# KiCad board edc-mux-board-fpga-main.kicad_pcb (continued)
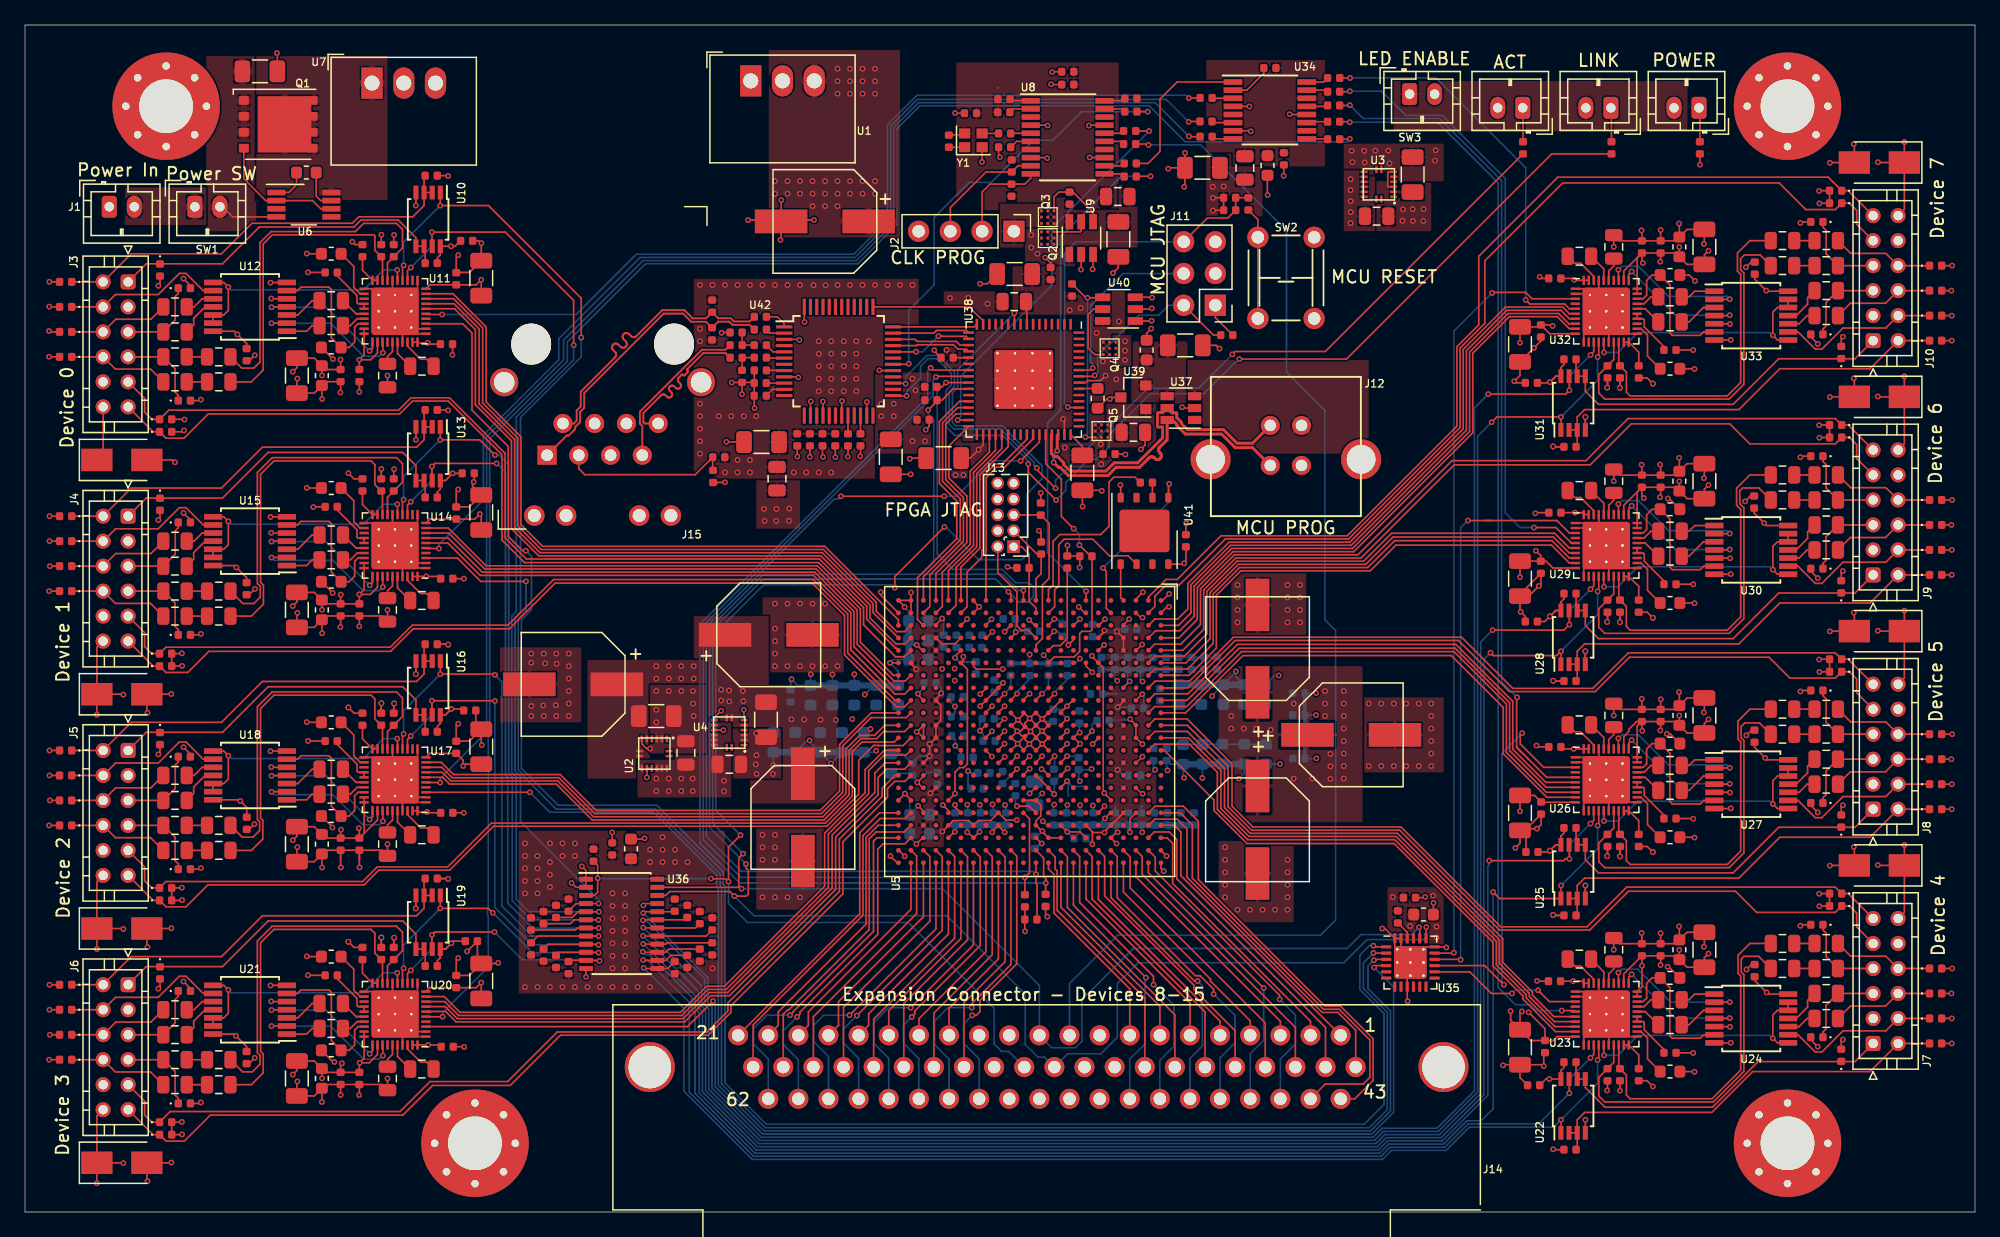
[diagram p0: board, top side]
## Routing (per net, layer and track width the routed paths; a pad name or vN(x,y) marks a point on that pad's centre or on a via; arc(x,y) is an arc through that point) (continued)
/FPGA Interconnects/DEV_INT2: length 70.6
  Top w0.127: J5.9 9.57,27.62 9.57,26.51 10.14,25.94 D29.1 11.28,26.45 27.01,26.45 28.17,27.61 33.8,27.61 37.31,31.12 64.03,31.12 66.18,33.27 66.18,36.84 66.95,37.61 69.53,37.61 U5.AB12
/FPGA Interconnects/DEV_INT3: length 78.2
  Top w0.127: J6.9 9.57,8.87 9.57,7.76 10.14,7.19 D39.1 11.61,8.04 30,8.04 32.4,10.44 38.61,10.44 42.58,14.41 54.55,14.41 56.23,16.09 56.23,16.74 65.15,25.66 65.15,29.85 68.57,33.27 68.57,33.91 69.61,34.95 U5.AB15
/FPGA Interconnects/DEV_INT4: length 69.8
  Top w0.127: U5.A11 92.99,38.95 96.25,35.69 96.25,32.44 98.13,30.56 109.97,30.56 117.96,22.57 125.18,22.57 128.28,25.67 136.84,25.67 138.53,23.98 144.82,23.98 D49.1 145.96,24.49 146.53,23.92 146.53,22.81 J7.9
/FPGA Interconnects/DEV_INT5: length 64.4
  Top w0.127: J8.9 146.53,41.56 146.53,42.67 145.96,43.24 D59.1 144.82,42.73 141.19,42.73 139.52,44.4 128.36,44.4 125.61,41.65 118.76,41.65 114.67,45.74 96.81,45.74 93.02,41.95 U5.A8 91.14,41.95
/FPGA Interconnects/DEV_INT6: length 69.1
  Top w0.127: U5.A5 92.62,44.95 94.29,46.62 94.29,49.78 96.86,52.34 106.88,52.34 114.34,59.8 125.22,59.8 128.5,63.08 136.38,63.08 137.98,61.48 144.82,61.48 D69.1 145.96,61.99 146.53,61.42 146.53,60.31 J9.9
/FPGA Interconnects/DEV_INT7: length 82.3
  Top w0.127: J10.9 146.53,79.06 146.53,80.17 145.96,80.74 D79.1 144.82,80.23 142.46,80.23 140.33,82.36 123.02,82.36 116.79,76.13 116.79,71.13 114.8,69.14 114.8,62.78 105.89,53.87 96.03,53.87 92.31,50.15 91.26,50.15 90.39,49.28 90.39,48.47 U5.B2
/FPGA Interconnects/DEV_INT8: length 22.5
  Top w0.127: v1(75.78,15.74) 76.1,15.74 76.39,16.03 76.39,16.91 79.34,19.86 79.34,28.48 U5.N21
  Bottom w0.127: J14.55 76.33,12.25 75.09,13.49 75.09,15.05 v1(75.78,15.74)
/FPGA Interconnects/DEV_INT9: length 23.2
  Top w0.127: U5.T21 76.42,28.41 76.42,21.33 71.17,16.08 71.17,15.84 v1(70.94,15.61)
  Bottom w0.127: v1(70.94,15.61) 70.28,14.95 70.28,13.51 71.51,12.28 J14.57
/FPGA Interconnects/DEV_INT10: length 23.9
  Top w0.127: U5.W21 73.37,28.45 73.37,22.54 v1(66.55,15.72)
  Bottom w0.127: J14.59 66.69,12.31 65.46,13.54 65.46,14.63 v1(66.55,15.72)
/FPGA Interconnects/DEV_INT11: length 26.6
  Top w0.127: U5.AA20 70.4,29.47 68.65,29.47 68.22,29.04 68.22,22.22 62,16 62,15.85 v1(61.77,15.62)
  Bottom w0.127: J14.61 61.87,12.19 60.66,13.4 60.66,14.51 v1(61.77,15.62)
/FPGA Interconnects/DEV_INT12: length 35.2
  Top w0.127: J14.43 106.38,9.06 107.84,10.52 107.84,13.87 105.24,16.48 103.99,16.48 93.87,26.6 93.87,31.27 92.66,32.48 90.41,32.48 U5.B18
/FPGA Interconnects/DEV_INT13: length 25.3
  Top w0.127: U5.B21 90.42,28.41 90.42,27.29 100.37,17.34 v1(100.37,17.02)
  Bottom w0.127: v1(100.37,17.02) 101.63,15.76 101.63,13.44 100.43,12.24 J14.45
/FPGA Interconnects/DEV_INT14: length 24.7
  Top w0.127: U5.E21 87.38,28.44 87.38,25.15 93.62,18.91 94.01,18.91 95.09,17.83 v1(95.09,17.44)
  Bottom w0.127: v1(95.09,17.44) 96.8,15.73 96.8,13.53 95.61,12.34 J14.47
/FPGA Interconnects/DEV_INT15: length 23.7
  Top w0.127: U5.H21 84.37,28.45 84.37,24.77 90.28,18.86 v1(90.28,18.19)
  Bottom w0.127: J14.49 90.79,12.15 91.92,13.28 91.92,16.55 v1(90.28,18.19)
/FPGA Interconnects/MISO: length 16.2
  Top w0.127: U5.K1 81.88,49.81 82.25,50.18 82.25,53.68 82.79,54.22 86.06,54.22 86.72,54.88 86.72,58.42 87.11,58.81 88.79,58.81 R64.1
/FPGA Interconnects/MOSI: length 3
  Top w0.127: U41.5 87.66,49.17 U5.D1
/FPGA Interconnects/SCK: length 13
  Top w0.127: U41.6 88.25,52.52 86.75,52.52 85.43,53.84 83.13,53.84 82.7,53.41 82.7,50.12 82.37,49.79 82.37,48.44 U5.K2
/FPGA Interconnects/TCK: length 6.4
  Top w0.127: J13.1 79.72,53.25 80.32,52.64 80.32,48.89 80.88,48.34 U5.L2
/FPGA Interconnects/TDI: length 13.7
  Top w0.127: U5.L5 80.88,45.39 81.4,45.91 81.4,50.17 81.93,50.71 81.93,55.11 R71.1 81.25,55.79 J13.5
/FPGA Interconnects/TDO: length 8.9
  Top w0.127: U5.L4 80.26,46.57 79.69,46.57 79.35,46.91 79.35,49.64 77.82,51.17 J13.2
/FPGA Interconnects/TMS: length 6.8
  Top w0.127: J13.3 80.96,52.66 R72.1 81.29,51.09 80.88,50.67 U5.L1
/FPGA Interconnects/~{CONFIG}: length 7.5
  Top w0.127: U5.K5 82.26,45.33 82.82,45.33 83.38,45.89 R66.1
/FPGA Interconnects/~{CS}: length 13.9
  Top w0.127: 86.88,47.92 U5.E2 86.49,48.33 86.49,51.3 v1(86.25,51.55) ; U41.1 91.47,58.22 v1(91.53,58.28)
  Bottom w0.127: v1(86.25,51.55) 91.53,56.83 v1(91.53,58.28)
/INIT_DONE: length 82.4
  Top w0.127: U38.43 81.15,61.62 v1(79.65,60.12) ; R70.1 80.96,26.23 80.88,26.31 v1(80.88,27.03) U5.L22 80.88,27.99 ; v1(73.53,57.28) v1(65.28,57.28)
  Bottom w0.127: v1(73.53,57.28) 74.53,57.28 77.37,60.12 v1(79.65,60.12) ; v1(80.88,27.03) 80.65,27.26 57.31,27.26 54.51,30.06 54.51,46.83 64.73,57.05 65.05,57.05 v1(65.28,57.28)
/Microprocessor and Support/DEV_INT0: length 18.6
  Top w0.127: U5.Y1 71.88,50.83 74.82,53.78 74.82,57.06 73.4,58.48 73.4,63.16 74.62,64.38 U38.29
/Microprocessor and Support/DEV_INT1: length 19.2
  Top w0.127: U5.Y2 72.38,48.46 72.38,50.99 75.07,53.67 75.07,57.19 73.66,58.6 73.66,63.06 74.48,63.88 U38.30
/Microprocessor and Support/DEV_INT2: length 16.2
  Top w0.127: U5.W1 72.88,51.11 75.35,53.58 75.35,57.3 73.91,58.74 73.91,61.3 U38.32
/Microprocessor and Support/DEV_INT3: length 16
  Top w0.127: U5.W2 73.38,48.46 73.38,51.2 75.61,53.42 75.61,59.29 77.15,60.83 U38.35
/Microprocessor and Support/DEV_INT4: length 14.8
  Top w0.127: U5.V1 73.88,51.33 75.88,53.34 75.88,59.2 77.64,60.96 77.64,62.21 U38.36
/Microprocessor and Support/DEV_INT5: length 16
  Top w0.127: U38.37 78.14,62.21 78.14,61.1 76.13,59.09 76.13,53.23 74.49,51.58 74.49,48.56 U5.V2
/Microprocessor and Support/DEV_INT6: length 14.8
  Top w0.127: U5.U1 74.88,51.61 76.39,53.13 76.39,58.99 78.65,61.25 U38.38
/Microprocessor and Support/DEV_INT7: length 16.8
  Top w0.127: U38.41 80.15,61.84 78.18,59.87 77.63,59.87 76.64,58.88 76.64,53.02 76.54,52.92 76.54,52.39 75.36,51.21 75.36,48.44 U5.U2
/Microprocessor and Support/MCU_VDDA: length 1.8
  Top w0.127: FB44.1 80.15,72.79 U38.8
/Microprocessor and Support/MCU_VDDCORE: length 1.5
  Top w0.127: U38.55 84.34,65.91 C292.1
/Microprocessor and Support/MCU_VDDIO: length 8.7
  Top w0.127: C290.1 75.48,68.37 U38.21 ; C289.1 84.59,61.28 U38.48 ; U38.34 76.65,61.38 75.62,60.34 C294.1 ; v1(86.45,66.94) 86.05,66.54 85.01,66.54 84.85,66.38 U38.56
  vias: v1(73.72,68.99) v1(74,73.15) v1(74.44,58.98) v1(75.07,58.99) v1(75.46,73.17) v1(76.29,61.01) v1(77,72.69) v1(83.18,61.18) v1(83.58,72.17) v1(84.45,72.36) v1(85.73,70.36) v1(86.06,61.45) v1(86.1,59.85) v1(86.23,68.08) v1(87.3,66.64) v1(87.52,71.27)
/Microprocessor and Support/SCK: length 6.3
  Top w0.127: U38.20 75.32,69.05 74.63,69.05 74.27,69.41 71.37,69.41 71.3,69.34 U42.33
/Microprocessor and Support/SWCLK: length 15.5
  Top w0.127: J11.2 95.08,70.18 95.66,70.18 ; U38.57 85.51,66.88 v1(85.58,66.95)
  Bottom w0.127: v1(85.58,66.95) 85.84,67.21 85.84,67.75 85.81,67.78 85.81,68.49 89.09,71.77 90.69,71.77 91.49,72.57 J11.2
/Microprocessor and Support/SWDIO: length 14.7
  Top w0.127: v1(85.42,67.55) 85.25,67.38 U38.58
  Bottom w0.127: v1(85.42,67.55) 85.42,67.88 85.25,68.04 85.25,72.53 87.83,75.11 J11.4
/Microprocessor and Support/USB_D+: length 25.3
  Top w0.233: J12.3 98.2,61.17 96.82,61.17 95.73,62.26 92.84,62.26 92.14,62.95 92.14,63.06 91.81,63.39 U37.6 91.37,61.81 90.77,61.21 90.73,61.16 90.7,61.09 90.69,61.03 90.69,60.96 90.7,60.9 90.73,60.84 90.77,60.78 90.82,60.73 90.86,60.68 90.89,60.62 90.91,60.55 90.91,60.49 90.89,60.42 90.86,60.36 90.82,60.31 90.77,60.27 90.71,60.24 90.64,60.22 90.58,60.22 90.51,60.24 90.45,60.27 90.4,60.31 90.35,60.36 90.3,60.4 90.24,60.43 90.17,60.45 90.1,60.45 90.04,60.43 89.98,60.4 89.92,60.36 89.16,59.6 87.28,59.6 86.62,58.94 83.48,58.94 82.82,59.6 82.67,59.6 v1(82.29,59.98) ; v1(82.58,60.92) 82.58,62.15 U38.46
  Bottom w0.233: v1(82.58,60.92) 82.29,60.63 v1(82.29,59.98)
/Microprocessor and Support/USB_D-: length 25.8
  Top w0.233: U38.45 82.11,62.18 82.11,60.7 82.35,60.45 82.61,60.45 83.1,59.96 83.1,59.82 83.62,59.3 86.48,59.3 87.14,59.96 89.02,59.96 91.01,61.95 91.01,62.82 90.65,62.82 90.6,62.87 90.6,63.91 90.67,63.98 91.01,63.98 U37.5 91.75,63.96 92.09,63.96 92.14,63.91 92.14,63.57 92.5,63.21 92.5,63.1 92.98,62.62 95.87,62.62 96.96,61.53 98.2,61.53 J12.2
/Microprocessor and Support/~{RESET}: length 30.5
  Top w0.127: v1(83.43,64.42) 83.47,64.38 U38.52 ; R62.2 97.85,81.18 R61.1 C293.1 96.22,79.55 94.59,79.55 J11.6
  Bottom w0.127: J11.6 84.06,77.65 83.16,76.75 83.16,64.69 v1(83.43,64.42)
/Power Supplies/SW_PWR_IN: length 4.6
  Top w0.127: U6.4 16.61,79.65 15.83,80.43
/SCL: length 148.1
  Top w0.127: v1(57.68,27.85) 57.68,27.53 57.87,27.34 57.87,25.45 57.7,25.28 v1(56.75,25.28) 56.38,25.65 51.57,25.65 51.26,25.33 U36.22 ; U35.19 112.08,22.77 v1(112.11,22.8) ; U38.26 74.26,65.88 73.35,64.97 R59.1 72.96,64.88 v1(72.25,64.18) ; 79.87,48.95 U5.M1 79.88,49.75 v1(79.87,49.75)
  Bottom w0.127: v1(57.68,27.85) 54.76,30.77 54.76,46.73 59.08,51.04 71.76,51.04 ; v1(56.75,25.28) 58.32,23.71 73.75,23.71 80.01,17.45 80.01,13.42 81.03,12.4 81.55,12.4 J14.32 83.41,12.66 86.07,12.66 87.39,13.99 87.39,18.29 89.05,19.95 105.51,19.95 107.36,21.8 111.89,21.8 112.11,22.02 v1(112.11,22.8) ; 71.76,51.04 72.7,51.98 72.7,63.41 72.25,63.86 v1(72.25,64.18) ; 71.76,51.04 78.21,51.04 79.5,49.75 v1(79.87,49.75)
/SDA: length 152.7
  Top w0.127: U36.23 57.22,25.98 v1(57.33,25.88) 57.1,26.11 57.1,28.33 v1(57.45,28.68) ; v1(111.53,22.79) 111.58,22.73 U35.20 ; U38.25 v1(73.68,66.38) 73.34,66.04 72.94,66.04 ; 78.88,48.95 U5.N1 78.88,49.44 v1(78.68,49.64)
  Bottom w0.127: v1(57.45,28.68) 55.02,31.1 55.02,46.62 59.06,50.66 77.66,50.66 v1(78.68,49.64) 79.5,48.82 80.26,48.82 80.68,49.24 80.68,50.01 80.33,50.36 79.25,50.36 78.18,51.43 74.22,51.43 72.97,52.68 72.97,65.67 v1(73.68,66.38) ; v1(111.53,22.79) 110.94,22.2 106.88,22.2 105.77,21.09 88.66,21.09 84.55,16.98 84.55,13.66 84.04,13.15 82.14,13.15 J14.11 81.15,18.13 73.4,25.88 v1(57.33,25.88)
/~{RESET}_FPGA: length 21.4
  Top w0.127: U38.28 74.76,64.88 73.15,63.27 73.15,58.3 74.54,56.91 74.54,53.9 71.4,50.76 71.4,47.42 U5.Y3
/~{STATUS}: length 22.6
  Top w0.127: v1(83.89,54.69) 82.91,55.67 82.91,58.64 81.66,59.89 81.66,60.15 81.65,60.16 U38.44 ; U5.K6 82.34,44.42 83.92,44.42 84.37,44.87 84.37,46.3 84.54,46.47 85.23,46.47 85.36,46.6 85.36,52.47 R65.1 85.25,52.48 v1(84.35,53.38)
  Bottom w0.127: v1(84.35,53.38) 84.35,54.23 v1(83.89,54.69)
CLK0_FPGA: length 41.2
  Top w0.127: R9.1 88.93,82.89 v1(90.04,82.89) ; U5.G1 84.88,49.67 v1(84.89,49.68)
  Bottom w0.127: v1(84.89,49.68) 81.8,52.77 81.8,63.14 82.85,64.19 82.85,78.05 87.69,82.89 v1(90.04,82.89)
CLK1_CODEC: length 12.9
  Top w0.127: R10.1 89.84,83.92 90.8,84.88 90.8,89.07 92.16,90.44 96.64,90.44
CLK2_CODEC: length 99.3
  Top w0.127: v1(89.88,85.4) 89.81,85.47 R11.1
  Bottom w0.127: v1(89.88,85.4) 94.06,85.4 100.92,78.54 100.92,67.23 103.99,64.16 103.99,47.4 104.85,46.54 104.85,23.36 103.64,22.15 87.42,22.15 83.56,18.29 J14.10
CLK3_MCU: length 31.4
  Top w0.127: U38.31 74.61,63.38 v1(74.61,63.38) ; v1(89.93,86.51) 88.87,86.51 R12.1
  Bottom w0.127: v1(74.61,63.38) 74.86,63.63 74.86,66.9 82.15,74.19 82.15,78.72 v1(89.93,86.51)
CLK4_ETH: length 35.3
  Top w0.127: v1(70.7,67.89) 70.65,67.84 U42.30 ; R13.1 89.81,88.07 v1(89.82,88.06)
  Bottom w0.127: v1(89.82,88.06) 84.53,88.06 82.26,85.79 80.69,85.79 77.3,82.4 75.53,82.4 72.73,79.6 72.73,74.2 70.7,72.17 v1(70.7,67.89)
Net-(C112-Pad1): length 2.8
  Top w0.127: C112.1 21.72,82.21 21.11,81.59 U6.1
Net-(C112-Pad2): length 3.2
  Top w0.127: C112.2 23.3,81.31 23.66,80.94 U6.7
Net-(C121-Pad1): length 1.6
  Top w0.127: C121.1 FB4.2
Net-(C122-Pad2): length 2.6
  Top w0.127: C122.2 27,75.37 27.8,74.56 28.2,74.56
Net-(C123-Pad2): length 4.1
  Top w0.127: C123.2 24.98,74.92 26.56,73.34 26.56,72.78 26.65,72.69 U11.24 U11.25
Net-(C125-Pad1): length 2.3
  Top w0.127: C125.1 29.8,68.7 U11.36
Net-(C125-Pad2): length 3.1
  Top w0.127: C125.2 32.13,68.25 31.65,68.25 30.6,69.3 U11.38
Net-(C127-Pad2): length 2.6
  Top w0.127: 26.49,71.89 C127.2 ; 26.49,71.89 26.97,71.89 ; 26.49,71.89 U11.26
Net-(C128-Pad2): length 1.9
  Top w0.127: U11.27 26.58,71.49 26.03,70.94 C128.2
Net-(C130-Pad2): length 1.6
  Top w0.127: FB5.1 C130.2
Net-(C141-Pad1): length 1.6
  Top w0.127: C141.1 FB9.2
Net-(C142-Pad2): length 2.6
  Top w0.127: C142.2 27,56.61 U14.20 U14.19
Net-(C143-Pad2): length 4.1
  Top w0.127: C143.2 24.98,56.17 26.56,54.59 26.56,54.03 26.65,53.94 U14.24 U14.25
Net-(C145-Pad1): length 2.3
  Top w0.127: 29.8,50.86 29.8,49.95 C145.1
Net-(C145-Pad2): length 3.1
  Top w0.127: 30.6,50.86 30.6,50.55 31.65,49.5 32.13,49.5 C145.2
Net-(C147-Pad2): length 2.6
  Top w0.127: U14.26 26.49,53.14 ; 26.49,53.14 26.97,53.14 ; 26.49,53.14 C147.2
Net-(C148-Pad2): length 1.9
  Top w0.127: C148.2 26.03,52.19 26.58,52.74 U14.27
Net-(C150-Pad2): length 1.6
  Top w0.127: FB10.1 C150.2
Net-(C161-Pad1): length 1.6
  Top w0.127: FB14.2 C161.1
Net-(C162-Pad2): length 2.6
  Top w0.127: U17.19 U17.20 27,37.86 C162.2
Net-(C163-Pad2): length 4.1
  Top w0.127: C163.2 24.98,37.42 26.56,35.84 26.56,35.28 26.65,35.19 U17.24 U17.25
Net-(C165-Pad1): length 2.3
  Top w0.127: C165.1 29.8,31.2 U17.36
Net-(C165-Pad2): length 3.1
  Top w0.127: C165.2 32.13,30.75 31.65,30.75 30.6,31.8 U17.38
Net-(C167-Pad2): length 2.6
  Top w0.127: 26.49,34.39 26.97,34.39 ; 26.49,34.39 C167.2 ; 26.49,34.39 U17.26
Net-(C168-Pad2): length 1.9
  Top w0.127: C168.2 26.03,33.44 26.58,33.99 U17.27
Net-(C170-Pad2): length 1.6
  Top w0.127: FB15.1 C170.2
Net-(C181-Pad1): length 1.6
  Top w0.127: FB19.2 C181.1
Net-(C182-Pad2): length 2.6
  Top w0.127: U20.19 U20.20 27,19.11 C182.2
Net-(C183-Pad2): length 4.1
  Top w0.127: U20.25 U20.24 26.65,16.44 26.56,16.53 26.56,17.09 24.98,18.67 C183.2
Net-(C185-Pad1): length 2.3
  Top w0.127: C185.1 29.8,12.45 29.8,13.36
Net-(C185-Pad2): length 3.1
  Top w0.127: 30.6,13.36 30.6,13.05 31.65,12 32.13,12 C185.2
Net-(C187-Pad2): length 2.6
  Top w0.127: 26.49,15.64 C187.2 ; 26.49,15.64 26.97,15.64 ; 26.49,15.64 U20.26
Net-(C188-Pad2): length 1.9
  Top w0.127: U20.27 26.58,15.24 26.03,14.69 C188.2
Net-(C190-Pad2): length 1.6
  Top w0.127: FB20.1 C190.2
Net-(C201-Pad1): length 1.6
  Top w0.127: C201.1 FB24.2
Net-(C202-Pad2): length 2.6
  Top w0.127: C202.2 129.1,12.56 128.3,13.36 127.9,13.36
Net-(C203-Pad2): length 4.1
  Top w0.127: U23.25 U23.24 129.45,15.24 129.54,15.15 129.54,14.59 131.12,13.01 131.12,12.74
Net-(C205-Pad1): length 2.3
  Top w0.127: C205.1 126.3,19.23 U23.36
Net-(C205-Pad2): length 3.1
  Top w0.127: U23.38 125.5,18.63 124.45,19.68 123.97,19.68 C205.2
Net-(C207-Pad2): length 2.6
  Top w0.127: U23.26 129.61,16.04 ; 129.61,16.04 C207.2 ; 129.61,16.04 129.13,16.04
Net-(C208-Pad2): length 1.9
  Top w0.127: U23.27 129.53,16.44 130.07,16.99 C208.2
Net-(C210-Pad2): length 1.6
  Top w0.127: FB25.1 C210.2
Net-(C221-Pad1): length 1.6
  Top w0.127: C221.1 FB29.2
Net-(C222-Pad2): length 2.6
  Top w0.127: C222.2 129.1,31.31 U26.20 U26.19
Net-(C223-Pad2): length 4.1
  Top w0.127: 131.12,31.49 131.12,31.76 129.54,33.34 129.54,33.9 129.45,33.99 U26.24 U26.25
Net-(C225-Pad1): length 2.3
  Top w0.127: C225.1 126.3,37.98 U26.36
Net-(C225-Pad2): length 3.1
  Top w0.127: U26.38 125.5,37.38 124.45,38.43 123.97,38.43 C225.2
Net-(C227-Pad2): length 2.6
  Top w0.127: 129.61,34.79 C227.2 ; 129.61,34.79 U26.26 ; 129.61,34.79 129.13,34.79
Net-(C228-Pad2): length 1.9
  Top w0.127: C228.2 130.07,35.74 129.53,35.19 U26.27
Net-(C230-Pad2): length 1.6
  Top w0.127: FB30.1 C230.2
Net-(C241-Pad1): length 1.6
  Top w0.127: C241.1 FB34.2
Net-(C242-Pad2): length 2.6
  Top w0.127: C242.2 129.1,50.06 128.3,50.86 127.9,50.86
Net-(C243-Pad2): length 4.1
  Top w0.127: 131.12,50.24 131.12,50.51 129.54,52.09 129.54,52.65 129.45,52.74 U29.24 U29.25
Net-(C245-Pad1): length 2.3
  Top w0.127: U29.36 126.3,56.73 C245.1
Net-(C245-Pad2): length 3.1
  Top w0.127: C245.2 123.97,57.18 124.45,57.18 125.5,56.13 U29.38
Net-(C247-Pad2): length 2.6
  Top w0.127: U29.26 129.61,53.54 ; 129.61,53.54 129.13,53.54 ; 129.61,53.54 C247.2
Net-(C248-Pad2): length 1.9
  Top w0.127: C248.2 130.07,54.49 129.53,53.94 U29.27
Net-(C250-Pad2): length 1.6
  Top w0.127: FB35.1 C250.2
Net-(C261-Pad1): length 1.6
  Top w0.127: FB39.2 C261.1
Net-(C262-Pad2): length 2.6
  Top w0.127: U32.19 U32.20 129.1,68.81 C262.2
Net-(C263-Pad2): length 4.1
  Top w0.127: 131.12,68.99 131.12,69.26 129.54,70.84 129.54,71.4 129.45,71.49 U32.24 U32.25
Net-(C265-Pad1): length 2.3
  Top w0.127: 126.3,74.56 126.3,75.48 C265.1
Net-(C265-Pad2): length 3.1
  Top w0.127: 125.5,74.56 125.5,74.88 124.45,75.93 123.97,75.93 C265.2
Net-(C267-Pad2): length 2.6
  Top w0.127: 129.61,72.29 C267.2 ; 129.61,72.29 U32.26 ; 129.61,72.29 129.13,72.29
Net-(C268-Pad2): length 1.9
  Top w0.127: C268.2 130.07,73.24 129.53,72.69 U32.27
Net-(C270-Pad2): length 1.6
  Top w0.127: FB40.1 C270.2
Net-(C304-Pad1): length 1.4
  Top w0.127: 65.84,62.3 U42.20
Net-(C307-Pad1): length 1.4
  Top w0.127: 66.84,62.3 U42.22
Net-(C308-Pad2): length 2
  Top w0.127: R76.1 C308.2 R80.2
Net-(C309-Pad2): length 2
  Top w0.127: R77.1 57.38,68.38 C309.2 57.38,67.38 R78.2
Net-(D2-Pad1): length 8.2
  Top w0.127: D2.1 J3.6 7.26,71.45 10.07,71.45 FB3.1
Net-(D3-Pad1): length 8.2
  Top w0.127: D3.1 J3.8 7.23,67.46 10.04,67.46 FB4.1
Net-(D7-Pad1): length 6.8
  Top w0.127: D7.1 12.27,65.36 12.01,65.62 12.01,67.49 FB5.2 J3.7
Net-(D8-Pad1): length 6.8
  Top w0.127: D8.1 12.27,73.52 12.02,73.28 12.02,71.4 FB6.2 J3.5
Net-(D12-Pad1): length 8.2
  Top w0.127: D12.1 J4.6 7.26,52.7 10.07,52.7 FB8.1
Net-(D13-Pad1): length 8.2
  Top w0.127: FB9.1 10.04,48.71 7.23,48.71 J4.8 D13.1
Net-(D17-Pad1): length 6.8
  Top w0.127: J4.7 FB10.2 12.01,48.74 12.01,46.86 12.27,46.61 D17.1
Net-(D18-Pad1): length 6.8
  Top w0.127: J4.5 FB11.2 12.02,52.65 12.02,54.53 12.27,54.77 D18.1
Net-(D22-Pad1): length 8.2
  Top w0.127: FB13.1 10.07,33.95 7.26,33.95 J5.6 D22.1
Net-(D23-Pad1): length 8.2
  Top w0.127: D23.1 J5.8 7.23,29.96 10.04,29.96 FB14.1
Net-(D27-Pad1): length 6.8
  Top w0.127: D27.1 12.27,27.86 12.01,28.11 12.01,29.99 FB15.2 J5.7
Net-(D28-Pad1): length 6.8
  Top w0.127: D28.1 12.27,36.02 12.02,35.78 12.02,33.9 FB16.2 J5.5
Net-(D32-Pad1): length 8.2
  Top w0.127: D32.1 J6.6 7.26,15.2 10.07,15.2 FB18.1
Net-(D33-Pad1): length 8.2
  Top w0.127: D33.1 J6.8 7.23,11.21 10.04,11.21 FB19.1
Net-(D37-Pad1): length 6.8
  Top w0.127: J6.7 FB20.2 12.01,11.24 12.01,9.36 12.27,9.11 D37.1
Net-(D38-Pad1): length 6.8
  Top w0.127: D38.1 12.27,17.27 12.02,17.03 12.02,15.15 FB21.2 J6.5
Net-(D42-Pad1): length 8.2
  Top w0.127: D42.1 J7.6 148.84,16.48 146.03,16.48 FB23.1
Net-(D43-Pad1): length 8.2
  Top w0.127: D43.1 J7.8 148.87,20.47 146.06,20.47 FB24.1
Net-(D47-Pad1): length 6.8
  Top w0.127: D47.1 143.84,22.57 144.09,22.31 144.09,20.44 FB25.2 J7.7
Net-(D48-Pad1): length 6.8
  Top w0.127: J7.5 FB26.2 144.08,16.53 144.08,14.66 143.84,14.41 D48.1
Net-(D52-Pad1): length 8.2
  Top w0.127: D52.1 J8.6 148.84,35.23 146.03,35.23 FB28.1
Net-(D53-Pad1): length 8.2
  Top w0.127: D53.1 J8.8 148.87,39.22 146.06,39.22 FB29.1
Net-(D57-Pad1): length 6.8
  Top w0.127: J8.7 FB30.2 144.09,39.19 144.09,41.06 143.84,41.32 D57.1
Net-(D58-Pad1): length 6.8
  Top w0.127: D58.1 143.84,33.16 144.08,33.41 144.08,35.28 FB31.2 J8.5
Net-(D62-Pad1): length 8.2
  Top w0.127: D62.1 J9.6 148.84,53.98 146.03,53.98 FB33.1
Net-(D63-Pad1): length 8.2
  Top w0.127: D63.1 J9.8 148.87,57.97 146.06,57.97 FB34.1
Net-(D67-Pad1): length 6.8
  Top w0.127: J9.7 FB35.2 144.09,57.94 144.09,59.81 143.84,60.07 D67.1
Net-(D68-Pad1): length 6.8
  Top w0.127: D68.1 143.84,51.91 144.08,52.16 144.08,54.03 FB36.2 J9.5
Net-(D72-Pad1): length 8.2
  Top w0.127: FB38.1 146.03,72.73 148.84,72.73 J10.6 D72.1
Net-(D73-Pad1): length 8.2
  Top w0.127: D73.1 J10.8 148.87,76.72 146.06,76.72 FB39.1
Net-(D77-Pad1): length 6.8
  Top w0.127: D77.1 143.84,78.82 144.09,78.56 144.09,76.69 FB40.2 J10.7
Net-(D78-Pad1): length 6.8
  Top w0.127: D78.1 143.84,70.66 144.08,70.91 144.08,72.78 FB41.2 J10.5
Net-(D81-Pad1): length 2.7
  Top w0.127: 126.92,88.37 126.92,85.66 R83.1
Net-(D82-Pad1): length 2.7
  Top w0.127: R84.1 119.84,85.66 119.84,88.37
Net-(D83-Pad1): length 2.7
  Top w0.127: R85.1 133.99,88.37
Net-(Q1-Pad4): length 10.4
  Top w0.127: Q1.4 17.51,82.69 19.26,80.94 U6.2 23.01,80.94 23.66,80.3 24.51,80.3
Net-(Q2-PadA1): length 2.9
  Top w0.127: U9.5 84.5,78.52 84.42,78.44 Q2.A1
Net-(Q3-PadA1): length 5.8
  Top w0.127: Q3.A1 82.32,81.24 82.71,81.63 R8.1 83.84,81.63 85.44,80.02 U9.4
Net-(Q4-PadA1): length 5.5
  Top w0.127: U40.5 85.47,72.26 85.05,71.84 85.05,69.15 85.58,68.62 Q4.A1
Net-(Q5-PadA1): length 14.9
  Top w0.127: R63.1 84.87,73.17 v1(85,73.17) 86.17,73.17 U40.4 ; Q5.A1 84.85,62 v1(84.83,62.02)
  Bottom w0.127: v1(84.83,62.02) 85,62.19 v1(85,73.17)
Net-(R1-Pad2): length 1.5
  Top w0.127: 75.06,85.34 Y1.1 ; R1.2 75.29,85.22
Net-(R2-Pad2): length 1.3
  Top w0.127: Y1.3 R2.2
Net-(R3-Pad1): length 1.8
  Top w0.127: U8.6 79.32,85.69 R3.1
Net-(R9-Pad2): length 1.7
  Top w0.127: U8.11 87.72,83.09 87.94,82.87
Net-(R10-Pad2): length 1.7
  Top w0.127: 87.94,83.92 87.75,83.73 U8.12
Net-(R11-Pad2): length 1.6
  Top w0.127: R11.2 87.67,85.69 U8.15 ; 87.99,85.69 88,85.67
Net-(R12-Pad2): length 1.6
  Top w0.127: R12.2 87.7,86.34 U8.16
Net-(R13-Pad2): length 1.7
  Top w0.127: U8.19 87.77,88.28 R13.2
Net-(R14-Pad2): length 1.7
  Top w0.127: R14.2 87.8,88.94 86.36,88.94
Net-(R31-Pad1): length 3.2
  Top w0.127: 96.91,89.78 97.75,89.78 99.1,91.14 R31.1
Net-(R32-Pad1): length 1.5
  Top w0.127: U35.22 110.58,22.39 R32.1
Net-(R33-Pad2): length 1.7
  Top w0.127: U34.3 95,89.13 R33.2
Net-(R34-Pad2): length 1.8
  Top w0.127: 102.54,90.44 103.88,90.44 R34.2
Net-(R35-Pad2): length 1.7
  Top w0.127: R35.2 104.13,88.48 U34.13
Net-(R36-Pad2): length 1.7
  Top w0.127: U34.15 104.08,89.78 R36.2
Net-(R37-Pad2): length 1.7
  Top w0.127: R37.2 95.06,87.19 U34.6
Net-(R38-Pad2): length 1.7
  Top w0.127: U34.11 102.62,87.26 R38.2
Net-(R39-Pad2): length 1.7
  Top w0.127: R39.2 95.15,85.88 U34.8
Net-(R40-Pad2): length 1.7
  Top w0.127: U34.9 104.18,85.88 R40.2
Net-(R62-Pad1): length 9
  Top w0.127: R62.1 98.63,79.44 SW2.2 SW2.2
Net-(R64-Pad2): length 1.2
  Top w0.127: U41.2 R64.2
Net-(R73-Pad2): length 1.4
  Top w0.127: R73.2 U42.10
Net-(R74-Pad2): length 1.9
  Top w0.127: U42.1 60.74,71.09 60.18,71.65 R74.2
Net-(R75-Pad2): length 1.5
  Top w0.127: R75.2 59.59,70.34 U42.2
Net-(R76-Pad2): length 1.6
  Top w0.127: U42.5 59.85,68.84 R76.2
Net-(R77-Pad2): length 1.4
  Top w0.127: R77.2 59.35,68.34 U42.6

## Copper pours and planes (outline as drawn; the poured copper is in the pictures)
+1V2 on Top: 95.5,43.69 95.5,31.19 107,31.19 107,43.69
+1V2 on Top: 59.5,42.19 59.5,47.69 53.5,47.69 53.5,44.19 54.5,44.19 54.5,39.69 55.5,39.69 55.5,38.69 58,38.69 58,32.69 65,32.69 65,42.19
+1V2 on Bottom: 86.5,41.19 100,41.19 100,42.19 102,42.19 102,35.19 100,35.19 100,36.19 86.5,36.19 86.5,33.19 74.5,33.19 74.5,37.69 56,37.69 56,42.19 60.5,42.19 60.5,41.19 74.5,41.19 74.5,43.69 86.5,43.69
+1V2 on In2.Cu: 54.5,42.19 54.5,38.19 58,38.19 58,33.69 107,33.69 107,42.19
+1V8 on Top: 105.5,85.5 105.5,83.5 107.5,83.5 107.5,83 109,83 109,82.5 113.5,82.5 113.5,85.5
+1V8 on In2.Cu: 136,15.5 123,15.5 123,83.5 33,83.5 33,12 31,12 31,10 20,10 20,74.5 27,74.5 27,85.5 136,85.5
+2V5 on Top: 50,42.19 54.5,42.19 54.5,44.19 45,44.19 45,34.69 50,34.69
+2V5 on Bottom: 71.5,33.19 71.5,29.19 73.5,29.19 73.5,31.19 79.5,31.19 79.5,31.69 94,31.69 94,33.19
+2V5 on Bottom: 78.5,43.69 78.5,43.19 77,43.19 77,43.69 74.5,43.69 74.5,42.19 71.5,42.19 71.5,48.19 73,48.19 73,45.69 96,45.69 96,43.69
+2V5 on In2.Cu: 81.5,44.19 81.5,59.19 78,59.19 78,57.19 79.5,57.19 79.5,46.19 71.5,46.19 71.5,44.19 50,44.19 50,36.69 56.5,36.69 56.5,31.69 109,31.69 109,44.19
+3V3 on Top: 39.5,30.5 39.5,17.5 56,17.5 56,30.5
+3V3 on Top: 59.5,93 59.5,78 70,78 70,93
+3V3 on Top: 68,67.19 68,60.69 72.5,60.69 72.5,67.19
+3V3 on Top: 84,77.19 81.5,77.19 81.5,78.69 80,78.69 80,75.69 84,75.69
+3V3 on Top: 52,39.19 52,36.19 49,36.19 49,33.19 56.5,33.19 56.5,39.19
+3V3 on Top: 94.5,84.69 94.5,79.69 99,79.69 99,83.69 96.5,83.69 96.5,84.69
+3V3 on Top: 109,26 109,21 113.5,21 113.5,26
+3V3 on Top: 105.5,83.5 105.5,78.5 108,78.5 108,83.5
+3V3 on Top: 58.5,58.69 58.5,54.69 62,54.69 62,58.69
+3V3 on Top: 70.5,47.69 70.5,29.19 73.5,29.19 73.5,47.69
+3V3 on Top: 86.5,47.69 86.5,29.19 90.5,29.19 90.5,47.69
+3V3 on Top: 87,70.19 87,67.69 88.5,67.69 88.5,70.19
+3V3 on In2.Cu: 152,1 4,1 4,93 152,93
+12V on In2.Cu: 19,88.5 59.5,88.5 59.5,93 4,93 4,1 152,1 152,86.5 146,86.5 146,15.5 123,15.5 123,68.5 121.5,68.5 121.5,15.5 34.5,15.5 34.5,83.5 33,83.5 33,15.5 31,15.5 31,8.5 10,8.5 10,79 19,79
/Clocking/3V3_PROT on Top: 82.5,81.19 82.5,80.69 81.5,80.69 81.5,77.19 89,77.19 89,82.19 87.5,82.19 87.5,80.19 84,80.19 84,81.19
/Clocking/+3V3C on Top: 74.5,92 74.5,80.19 87.5,80.19 87.5,92
/Clocking/+3V3EXT on Top: 78,80.69 78,77.19 80.5,77.19 80.5,78.69 81.5,78.69 81.5,80.69
/Ethernet Connections/+3V3A on Top: 53.5,74.69 53.5,58.69 68,58.69 68,67.19 71.5,67.19 71.5,74.69
